# Altium PCB PCB.PcbDoc (part 1 of 4) (continued)
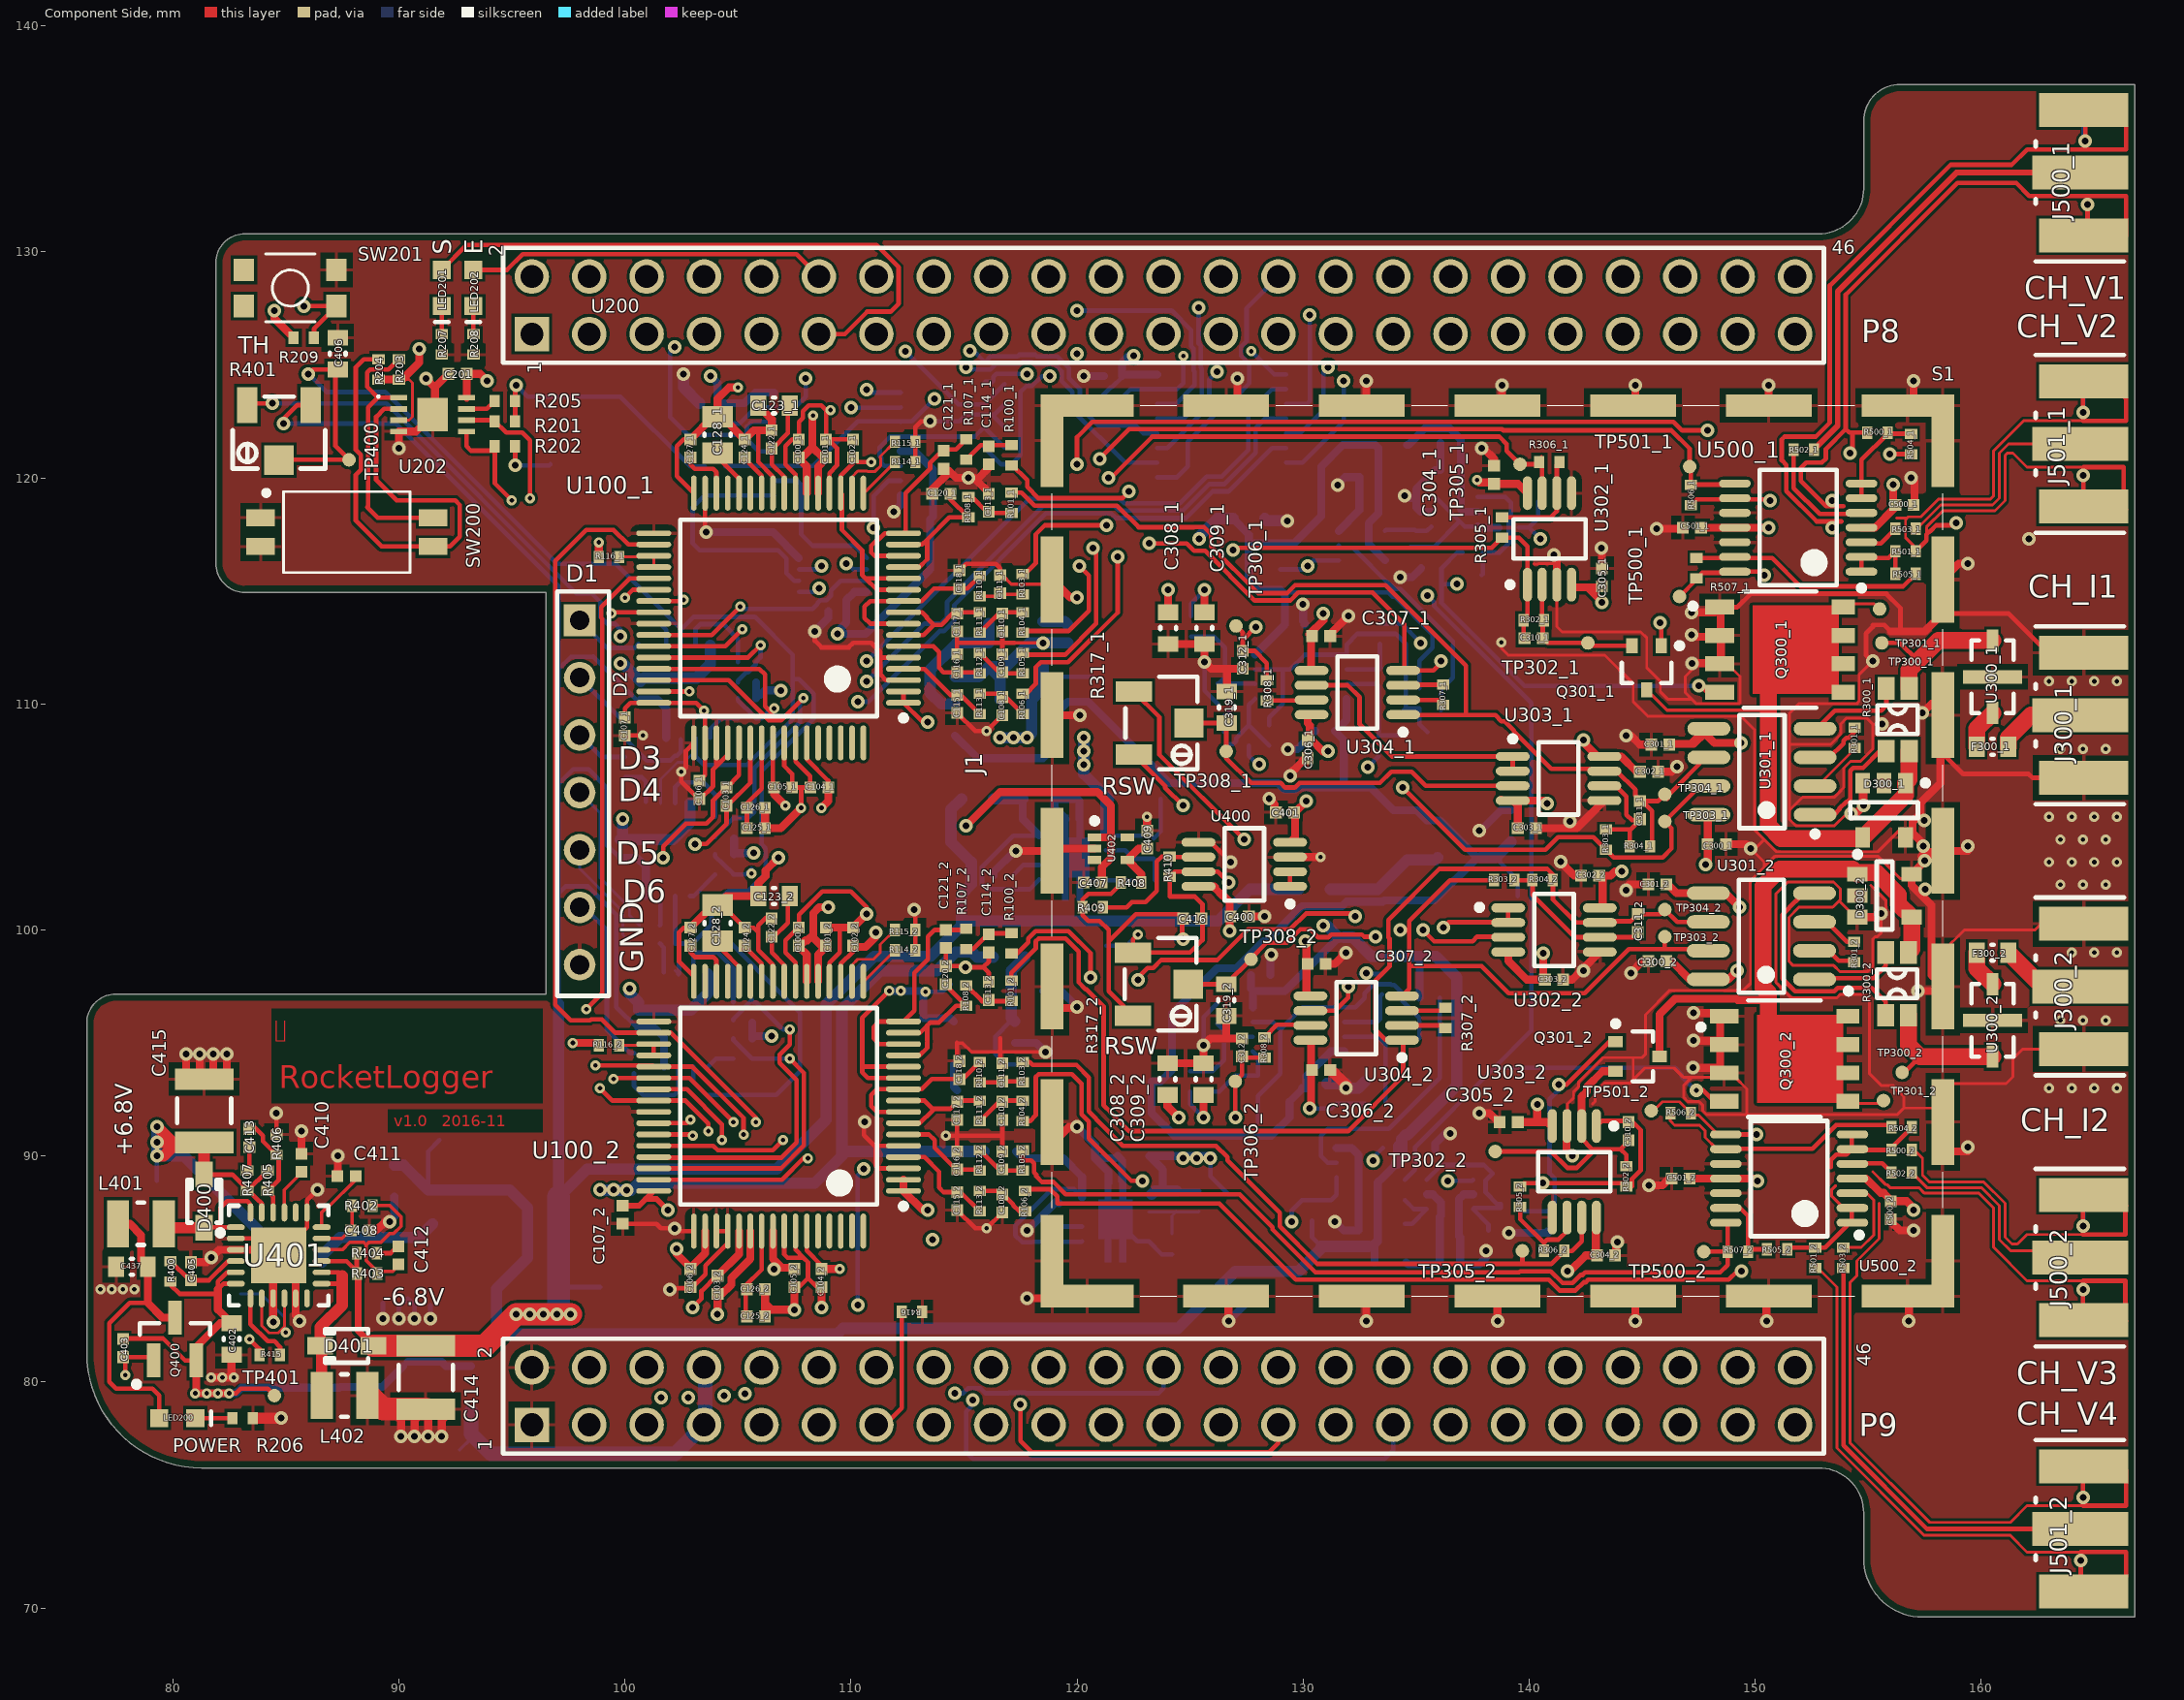
[diagram p0: Component Side view]
## Components (designator, comment, footprint, x,y, rotation, side; value= is the part's Value field where it differs from the comment)
C100_1 "1uF" CAPC0402(1005)60_L 107.7,121.3 r270 top (schematic designator C100)
C100_2 "1uF" CAPC0402(1005)60_L 107.7,99.7 r270 top (schematic designator C100)
C101_1 "1uF" CAPC0402(1005)60_L 108.9,121.3 r270 top (schematic designator C101)
C101_2 "1uF" CAPC0402(1005)60_L 108.9,99.7 r270 top (schematic designator C101)
C102_1 "1uF" CAPC0402(1005)60_L 110.1,121.3 r270 top (schematic designator C102)
C102_2 "1uF" CAPC0402(1005)60_L 110.1,99.7 r270 top (schematic designator C102)
C103_1 "1uF" CAPC0402(1005)60_L 104.5,105.9 r270 top (schematic designator C103)
C103_2 "1uF" CAPC0402(1005)60_L 104.1,84.3 r270 top (schematic designator C103)
C104_1 "1uF" CAPC0402(1005)60_L 108.6,106.3 r0 top (schematic designator C104)
C104_2 "1uF" CAPC0402(1005)60_L 108.7,84.6 r90 top (schematic designator C104)
C105_1 "1uF" CAPC0402(1005)60_L 107,106.3 r180 top (schematic designator C105)
C105_2 "1uF" CAPC0402(1005)60_L 107.5,84.6 r90 top (schematic designator C105)
C106_1 "1uF" CAPC0402(1005)60_L 103.3,106.2 r90 top (schematic designator C106)
C106_2 "1uF" CAPC0402(1005)60_L 102.9,84.6 r90 top (schematic designator C106)
C107_1 "1uF" CAPC0402(1005)60_L 100,109 r90 top (schematic designator C107)
C107_2 "1uF" CAPC0402(1005)60_L 99.9,87.4 r90 top (schematic designator C107)
C108_1 "1nF" CAPC0402(1005)60_L 116.7,109.9 r90 top (schematic designator C108)
C108_2 "1nF" CAPC0402(1005)60_L 116.7,87.9 r90 top (schematic designator C108)
C109_1 "1nF" CAPC0402(1005)60_L 116.7,111.8 r270 top (schematic designator C109)
C109_2 "1nF" CAPC0402(1005)60_L 116.7,89.8 r270 top (schematic designator C109)
C110_1 "1nF" CAPC0402(1005)60_L 116.7,113.6 r90 top (schematic designator C110)
C110_2 "1nF" CAPC0402(1005)60_L 116.7,92 r90 top (schematic designator C110)
C111_1 "1nF" CAPC0402(1005)60_L 116.6,115.3 r270 top (schematic designator C111)
C111_2 "1nF" CAPC0402(1005)60_L 116.7,93.7 r270 top (schematic designator C111)
C113_1 "1nF" CAPC0402(1005)60_L 116.1,118.9 r270 top (schematic designator C113)
C113_2 "1nF" CAPC0402(1005)60_L 116.1,97.3 r270 top (schematic designator C113)
C114_1 "1nF" CAPC0402(1005)60_L 116.1,121 r90 top (schematic designator C114)
C114_2 "1nF" CAPC0402(1005)60_L 116.1,99.4 r90 top (schematic designator C114)
C115_1 "1nF" CAPC0402(1005)60_L 114.7,110 r90 top (schematic designator C115)
C115_2 "1nF" CAPC0402(1005)60_L 114.7,88 r90 top (schematic designator C115)
C116_1 "1nF" CAPC0402(1005)60_L 114.7,111.8 r270 top (schematic designator C116)
C116_2 "1nF" CAPC0402(1005)60_L 114.7,89.8 r270 top (schematic designator C116)
C117_1 "1nF" CAPC0402(1005)60_L 114.7,113.6 r90 top (schematic designator C117)
C117_2 "1nF" CAPC0402(1005)60_L 114.7,92 r90 top (schematic designator C117)
C118_1 "1nF" CAPC0402(1005)60_L 114.8,115.5 r270 top (schematic designator C118)
C118_2 "1nF" CAPC0402(1005)60_L 114.8,93.8 r270 top (schematic designator C118)
C120_1 "1nF" CAPC0402(1005)60_L 114,119.3 r0 top (schematic designator C120)
C120_2 "1nF" CAPC0402(1005)60_L 114.2,98 r270 top (schematic designator C120)
C121_1 "1nF" CAPC0402(1005)60_L 114.1,120.8 r90 top (schematic designator C121)
C121_2 "1nF" CAPC0402(1005)60_L 114.2,99.6 r90 top (schematic designator C121)
C122_1 "100nF" CAPC0402(1005)60_L 106.5,121.7 r270 top (schematic designator C122)
C122_2 "100nF" CAPC0402(1005)60_L 106.5,100.1 r270 top (schematic designator C122)
C123_1 "10uF" CAPC0603(1608)100_L 106.6,123.2 r0 top (schematic designator C123)
C123_2 "10uF" CAPC0603(1608)100_L 106.6,101.5 r0 top (schematic designator C123)
C124_1 "1uF" CAPC0402(1005)60_L 105.3,121.3 r270 top (schematic designator C124)
C124_2 "1uF" CAPC0402(1005)60_L 105.3,99.7 r270 top (schematic designator C124)
C125_1 "1uF" CAPC0402(1005)60_L 105.8,104.5 r180 top (schematic designator C125)
C125_2 "1uF" CAPC0402(1005)60_L 105.8,82.9 r180 top (schematic designator C125)
C126_1 "100nF" CAPC0402(1005)60_L 105.8,105.4 r180 top (schematic designator C126)
C126_2 "100nF" CAPC0402(1005)60_L 105.8,84.1 r180 top (schematic designator C126)
C127_1 "1uF" CAPC0402(1005)60_L 102.9,121.3 r270 top (schematic designator C127)
C127_2 "1uF" CAPC0402(1005)60_L 102.9,99.7 r270 top (schematic designator C127)
C128_1 "22uF" CAPC0805(2012)145_L 104.1,121.9 r270 top (schematic designator C128)
C128_2 "22uF" CAPC0805(2012)145_L 104.1,100.3 r270 top (schematic designator C128)
C200 "100nF" CAPC0402(1005)60_L 121.6,124.5 r0 bottom
C201 "100nF" CAPC0402(1005)60_L 92.6,124.6 r0 top
C300_1 "100nF" CAPC0402(1005)60_L 148.3,103.8 r180 top (schematic designator C300)
C300_2 "100nF" CAPC0402(1005)60_L 145.675,98.618 r0 top (schematic designator C300)
C301_1 "100nF" CAPC0402(1005)60_L 145.8,108.2 r180 top (schematic designator C301)
C301_2 "100nF" CAPC0402(1005)60_L 145.675,102.018 r180 top (schematic designator C301)
C302_1 "100nF" CAPC0402(1005)60_L 145.3,107 r180 top (schematic designator C302)
C302_2 "100nF" CAPC0402(1005)60_L 142.7,102.4 r0 top (schematic designator C302)
C303_1 "100nF" CAPC0402(1005)60_L 139.9,104.5 r0 top (schematic designator C303)
C303_2 "100nF" CAPC0402(1005)60_L 141.1,97.8 r0 top (schematic designator C303)
C304_1 "100nF" CAPC0402(1005)60_L 138.45,120.134 r270 top (schematic designator C304)
C304_2 "100nF" CAPC0402(1005)60_L 143.4,85.6 r180 top (schematic designator C304)
C305_1 "100nF" CAPC0402(1005)60_L 143.225,115.6 r90 top (schematic designator C305)
C305_2 "100nF" CAPC0402(1005)60_L 139.1,91.5 r180 top (schematic designator C305)
C306_1 "100nF" CAPC0402(1005)60_L 130.2,108 r90 top (schematic designator C306)
C306_2 "100nF" CAPC0402(1005)60_L 130.8,93.8 r180 top (schematic designator C306)
C307_1 "100nF" CAPC0402(1005)60_L 130.8,113 r0 top (schematic designator C307)
C307_2 "100nF" CAPC0402(1005)60_L 130.6,98.5 r0 top (schematic designator C307)
C308_1 "10uF" CAPC0603(1608)100_L 124.034,113.35 r90 top (schematic designator C308)
C308_2 "10uF" CAPC0603(1608)100_L 124,93.4 r270 top (schematic designator C308)
C309_1 "10uF" CAPC0603(1608)100_L 125.634,113.35 r270 top (schematic designator C309)
C309_2 "10uF" CAPC0603(1608)100_L 125.6,93.4 r90 top (schematic designator C309)
C310_1 "2.2nF" CAPC0402(1005)60_L 140.2,112.9 r180 top (schematic designator C310)
C310_2 "2.2nF" CAPC0402(1005)60_L 144.4,91.1 r90 top (schematic designator C310)
C311_1 "470pF" CAPC0402(1005)60_L 144.9,105.3 r270 top (schematic designator C311)
C311_2 "470pF" CAPC0402(1005)60_L 144.8,100.3 r270 top (schematic designator C311)
C312_1 "33nF" CAPC0402(1005)60_L 127.334,111.95 r90 top (schematic designator C312)
C312_2 "33nF" CAPC0402(1005)60_L 127.3,94.8 r270 top (schematic designator C312)
C313_1 "10pF" CAPC0402(1005)60_L 133.434,111.15 r90 bottom (schematic designator C313)
C313_2 "10pF" CAPC0402(1005)60_L 133.4,95.6 r90 bottom (schematic designator C313)
C314_1 "10pF" CAPC0402(1005)60_L 126.5,108.3 r90 bottom (schematic designator C314)
C314_2 "10pF" CAPC0402(1005)60_L 126,93.3 r90 bottom (schematic designator C314)
C315_1 "100nF" CAPC0402(1005)60_L 129.6,113.5 r180 bottom (schematic designator C315)
C315_2 "100nF" CAPC0402(1005)60_L 128.1,98 r180 bottom (schematic designator C315)
C316_1 "100nF" CAPC0402(1005)60_L 131,108.8 r180 bottom (schematic designator C316)
C316_2 "100nF" CAPC0402(1005)60_L 130.6,93.2 r0 bottom (schematic designator C316)
C317_1 "10uF" CAPC0603(1608)100_L 127.6,118.2 r180 bottom (schematic designator C317)
C317_2 "10uF" CAPC0603(1608)100_L 128.1,84.2 r90 bottom (schematic designator C317)
C318_1 "10uF" CAPC0603(1608)100_L 131.6,105.6 r270 bottom (schematic designator C318)
C318_2 "10uF" CAPC0603(1608)100_L 123.3,94 r90 bottom (schematic designator C318)
C319_1 "10uF" CAPC0603(1608)100_L 126.634,109.85 r270 top (schematic designator C319)
C319_2 "10uF" CAPC0603(1608)100_L 126.6,96.9 r90 top (schematic designator C319)
C320_1 "100nF" CAPC0402(1005)60_L 132.934,120.05 r0 bottom (schematic designator C320)
C320_2 "100nF" CAPC0402(1005)60_L 132.9,86.7 r0 bottom (schematic designator C320)
C321_1 "1nF" CAPC0402(1005)60_L 132.934,118.85 r0 bottom (schematic designator C321)
C321_2 "1nF" CAPC0402(1005)60_L 132.9,87.9 r0 bottom (schematic designator C321)
C322_1 "100nF" CAPC0402(1005)60_L 136.534,121.55 r0 bottom (schematic designator C322)
C322_2 "100nF" CAPC0402(1005)60_L 136.5,85.2 r180 bottom (schematic designator C322)
C323_1 "10nF" CAPC0402(1005)60_L 140.4,119.4 r270 bottom (schematic designator C323)
C323_2 "10nF" CAPC0402(1005)60_L 140.8,87.1 r90 bottom (schematic designator C323)
C324_1 "1nF" CAPC0402(1005)60_L 136.534,120.35 r0 bottom (schematic designator C324)
C324_2 "1nF" CAPC0402(1005)60_L 136.5,86.4 r180 bottom (schematic designator C324)
C325_1 "10nF" CAPC0402(1005)60_L 135.675,116 r0 bottom (schematic designator C325)
C325_2 "10nF" CAPC0402(1005)60_L 135.4,90.3 r180 bottom (schematic designator C325)
C400 "100nF" CAPC0402(1005)60_L 127.2,100.6 r180 top
C401 "100nF" CAPC0402(1005)60_L 129.2,105.2 r180 top
C402 "10uF" CAPC0603(1608)100_L 82.6,81.9 r90 top
C403 "100nF" CAPC0402(1005)60_L 77.8,81.5 r270 top
C404 "47uF" CAPC1210(3225)280_L 90.4,82.3 r90 bottom
C405 "100nF" CAPC0402(1005)60_L 80.8,84.9 r270 top
C406 "10uF" CAPC0603(1608)100_L 87.3,125.5 r270 top
C407 "100nF" CAPC0402(1005)60_L 120.7,102.1 r0 top
C408 "220nF" CAPC0402(1005)60_L 88.29,86.7 r180 top
C409 "1uF" CAPC0402(1005)60_L 123.1,104 r270 top
C410 "10nF" CAPC0402(1005)60_L 85.69,89.7 r270 top
C411 "4.7nF" CAPC0402(1005)60_L 87.69,89.1 r0 top
C412 "120pF" CAPC0402(1005)60_L 89.99,85.6 r270 top
C413 "56pF" CAPC0402(1005)60_L 83.39,90.8 r90 top
C414 "47uF" CAPC1210(3225)280_L 91.19,80.2 r270 top
C415 "47uF" CAPC1210(3225)280_L 81.39,92 r90 top
C416 "100nF" CAPC0402(1005)60_L 125.1,100.5 r180 top
C417 "10uF" CAPC0603(1608)100_L 118.3,105.8 r180 bottom
C418 "10uF" CAPC0603(1608)100_L 120.1,89.9 r180 bottom
C419 "10uF" CAPC0603(1608)100_L 117.8,97.3 r180 bottom
C420 "10uF" CAPC0603(1608)100_L 114.6,111.9 r90 bottom
C421 "10uF" CAPC0603(1608)100_L 88.3,85.7 r90 bottom
C422 "10uF" CAPC0603(1608)100_L 134.6,103.8 r270 bottom
C423 "10nF" CAPC0402(1005)60_L 119.2,87.5 r270 bottom
C424 "10nF" CAPC0402(1005)60_L 116.7,102.4 r0 bottom
C425 "100nF" CAPC0402(1005)60_L 119.6,113.1 r90 bottom
C426 "10uF" CAPC0603(1608)100_L 139.2,104.6 r270 bottom
C427 "100nF" CAPC0402(1005)60_L 115.1,92.9 r180 bottom
C428 "10uF" CAPC0603(1608)100_L 89.8,88.9 r90 bottom
C429 "10nF" CAPC0402(1005)60_L 124.4,88 r90 bottom
C430 "10nF" CAPC0402(1005)60_L 122.4,103.7 r90 bottom
C431 "10uF" CAPC0603(1608)100_L 117.3,110.2 r0 bottom
C432 "10uF" CAPC0603(1608)100_L 122.5,90 r0 bottom
C433 "10uF" CAPC0603(1608)100_L 120.7,105.8 r0 bottom
C434 "10uF" CAPC0603(1608)100_L 113.2,95.4 r90 bottom
C435 "100uF" CAPC1210(3225)200_L 87.4,78.5 r90 bottom
C436 "100uF" CAPC1210(3225)200_L 84.5,78.475 r90 bottom
C437 "10uF" CAPC0603(1608)100_L 78.2,85.1 r0 top
C500_1 "100nF" CAPC0402(1005)60_L 156.6,118.8 r180 top (schematic designator C500)
C500_2 "100nF" CAPC0402(1005)60_L 156,87.6 r90 top (schematic designator C500)
C501_1 "100nF" CAPC0402(1005)60_L 147.2,117.8 r180 top (schematic designator C501)
C501_2 "100nF" CAPC0402(1005)60_L 146.7,89 r180 top (schematic designator C501)
C600_1 "100nF" CAPC0402(1005)60_L 100.7,110.6 r90 bottom (schematic designator C600)
C600_2 "100nF" CAPC0402(1005)60_L 99.8,103.6 r90 bottom (schematic designator C600)
C600_3 "100nF" CAPC0402(1005)60_L 100.6,96.05 r90 bottom (schematic designator C600)
C700 "100nF" CAPC0402(1005)60_L 103.7,123.3 r0 bottom
C701 "100nF" CAPC0402(1005)60_L 109.4,114.1 r0 bottom
D300_1 "RB496EATR" Z5+1_L 155.7,105.3 r270 top (schematic designator D300)
D300_2 "RB496EATR" Z5+1_L 155.725,101.518 r0 top (schematic designator D300)
D400 "SD103CWS-7-F" DIOD-SOD323-2_V 81.39,88 r90 top
D401 "SD103CWS-7-F" DIOD-SOD323-2_V 87.7,81.6 r180 top
F300_1 "046702.5NR" RESC0603(1608)_L 160.5,108.1 r180 top (schematic designator F300)
F300_2 "046702.5NR" RESC0603(1608)_L 160.5,99 r180 top (schematic designator F300)
J1 "TSW-107-07-L-S" TSW-107-07-L-S 98,106.08 r0 top
J300_1 "CON-SMA-EDGE-S" 132322 164.375,109.5 r0 top locked (schematic designator J300)
J300_2 "CON-SMA-EDGE-S" 132322 164.375,97.5 r0 top locked (schematic designator J300)
J500_1 "CON-SMA-EDGE-S" 132322 164.375,133.5 r0 top locked (schematic designator J500)
J500_2 "CON-SMA-EDGE-S" 132322 164.375,85.5 r0 top locked (schematic designator J500)
J501_1 "CON-SMA-EDGE-S" 132322 164.375,121.5 r0 top locked (schematic designator J501)
J501_2 "CON-SMA-EDGE-S" 132322 164.375,73.5 r0 top locked (schematic designator J501)
L300_1 "1.5uH" INDC0603(1608)_L 133.893,121.459 r0 bottom (schematic designator L300)
L300_2 "1.5uH" INDC0603(1608)_L 133.859,85.291 r0 bottom (schematic designator L300)
L400 "4.7uH" INDC2520X10L 93.2,79.7 r90 bottom
L401 "4.7uH" INDC2520X10L 78.59,87 r0 top
L402 "4.7uH" INDC2520X10L 87.6,79.4 r0 top
L403 "1.5uH" INDC0603(1608)_L 115.6,105.8 r0 bottom
L404 "1.5uH" INDC0603(1608)_L 116.6,90.2 r0 bottom
L405 "1.5uH" INDC0603(1608)_L 117,98.8 r0 bottom
L406 "1.5uH" INDC0603(1608)_L 114.6,109.3 r90 bottom
L407 "1.5uH" INDC0603(1608)_L 85.9,85.3 r0 bottom
L408 "1.5uH" INDC0603(1608)_L 130.5,101.8 r0 bottom
LED200 "Blue, 2.6V @ 2mA" 0603_A 80.2,78.4 r180 top
LED201 "Blue, 2.6V @ 2mA" 0603_A 91.9,128.4 r90 top
LED202 "Red, 1.6V @ 2mA" 0603_A 93.3,128.4 r90 top
Q300_1 "CSD17527Q5A" PowerPAK_SO-8_V 151.1,112.4 r0 top (schematic designator Q300)
Q300_2 "CSD17527Q5A" PowerPAK_SO-8_V 151.3,94.3 r0 top (schematic designator Q300)
Q301_1 "BSS214NW" INF-PG-SOT-323_L 145.2,111.6 r270 top (schematic designator Q301)
Q301_2 "BSS214NW" INF-PG-SOT-323_L 144.8,94.4 r0 top (schematic designator Q301)
Q400 "SI2323DS-T1-GE3" SOT-23-TT3_N 80.1,81.9 r90 top
R100_1 "4K7" RESC0402(1005)_L 117.1,121 r270 top (schematic designator R100)
R100_2 "4K7" RESC0402(1005)_L 117.1,99.4 r270 top (schematic designator R100)
R101_1 "4K7" RESC0402(1005)_L 117.1,118.9 r90 top (schematic designator R101)
R101_2 "4K7" RESC0402(1005)_L 117.1,97.3 r90 top (schematic designator R101)
R103_1 "4K7" RESC0402(1005)_L 117.6,115.3 r90 top (schematic designator R103)
R103_2 "4K7" RESC0402(1005)_L 117.6,93.7 r90 top (schematic designator R103)
R104_1 "4K7" RESC0402(1005)_L 117.6,113.6 r270 top (schematic designator R104)
R104_2 "4K7" RESC0402(1005)_L 117.6,92 r270 top (schematic designator R104)
R105_1 "4K7" RESC0402(1005)_L 117.6,111.8 r90 top (schematic designator R105)
R105_2 "4K7" RESC0402(1005)_L 117.6,89.8 r90 top (schematic designator R105)
R106_1 "4K7" RESC0402(1005)_L 117.6,110 r90 top (schematic designator R106)
R106_2 "4K7" RESC0402(1005)_L 117.7,88 r90 top (schematic designator R106)
R107_1 "4K7" RESC0402(1005)_L 115.1,121.25 r270 top (schematic designator R107)
R107_2 "4K7" RESC0402(1005)_L 115.1,99.6 r270 top (schematic designator R107)
R108_1 "4K7" RESC0402(1005)_L 115.2,118.7 r90 top (schematic designator R108)
R108_2 "4K7" RESC0402(1005)_L 115.1,97.1 r90 top (schematic designator R108)
R110_1 "4K7" RESC0402(1005)_L 115.7,115.2 r270 top (schematic designator R110)
R110_2 "4K7" RESC0402(1005)_L 115.7,93.7 r270 top (schematic designator R110)
R111_1 "4K7" RESC0402(1005)_L 115.7,113.6 r270 top (schematic designator R111)
R111_2 "4K7" RESC0402(1005)_L 115.7,92 r270 top (schematic designator R111)
R112_1 "4K7" RESC0402(1005)_L 115.7,111.8 r90 top (schematic designator R112)
R112_2 "4K7" RESC0402(1005)_L 115.7,89.8 r90 top (schematic designator R112)
R113_1 "4K7" RESC0402(1005)_L 115.7,110 r90 top (schematic designator R113)
R113_2 "4K7" RESC0402(1005)_L 115.7,88 r90 top (schematic designator R113)
R114_1 "10K" RESC0402(1005)_L 112.4,120.7 r180 top (schematic designator R114)
R114_2 "10K" RESC0402(1005)_L 112.4,99.1 r180 top (schematic designator R114)
R115_1 "10K" RESC0402(1005)_L 112.4,121.6 r180 top (schematic designator R115)
R115_2 "10K" RESC0402(1005)_L 112.4,100 r180 top (schematic designator R115)
R116_1 "10K" RESC0402(1005)_L 99.3,116.5 r0 top (schematic designator R116)
R116_2 "10K" RESC0402(1005)_L 99.3,94.9 r0 top (schematic designator R116)
R200 "1K" RESC0402(1005)_L 121.6,123.6 r180 bottom
R201 "5K6" RESC0402(1005)_L 94.7,122.5 r0 top
R202 "5K6" RESC0402(1005)_L 94.7,121.4 r0 top
R203 "100K" RESC0402(1005)_L 90,124.8 r270 top
R204 "100K" RESC0402(1005)_L 89.1,124.8 r270 top
R205 "10K, DNP" RESC0402(1005)_L 94.7,123.4 r0 top
R206 "1K" RESC0402(1005)_L 83.1,78.4 r180 top
R207 "330R" RESC0402(1005)_L 91.9,125.9 r90 top
R208 "820R" RESC0402(1005)_L 93.3,125.9 r90 top
R209 "100K" RESC0402(1005)_L 85.8,126.2 r180 top
R300_1 "WSK1206R0500FEA" WSK1206#1 156.3,109.3 r90 top (schematic designator R300)
R300_2 "WSK1206R0500FEA" WSK1206#2 156.275,97.618 r270 top (schematic designator R300)
R301_1 "133R, 25ppm/°C" RESC0402(1005)_L 154.4,108.5 r270 top (schematic designator R301)
R301_2 "133R, 25ppm/°C" RESC0402(1005)_L 154.375,99.018 r270 top (schematic designator R301)
R302_1 "680R, 25ppm/°C" RESC0402(1005)_L 140.2,113.7 r0 top (schematic designator R302)
R302_2 "680R, 25ppm/°C" RESC0402(1005)_L 144.3,89.1 r90 top (schematic designator R302)
R303_1 "10K" RESC0402(1005)_L 143.4,104 r270 top (schematic designator R303)
R303_2 "10K" RESC0402(1005)_L 138.9,102.2 r180 top (schematic designator R303)
R304_1 "10K" RESC0402(1005)_L 144.9,103.7 r180 top (schematic designator R304)
R304_2 "10K" RESC0402(1005)_L 140.6,102.2 r180 top (schematic designator R304)
R305_1 "10K, 25ppm/°C" RESC0402(1005)_L 138.8,117.8 r270 top (schematic designator R305)
R305_2 "10K, 25ppm/°C" RESC0402(1005)_L 139.6,88.2 r90 top (schematic designator R305)
R306_1 "10K, 25ppm/°C" RESC0402(1005)_L 140.9,120.7 r0 top (schematic designator R306)
R306_2 "10K, 25ppm/°C" RESC0402(1005)_L 141.1,85.8 r180 top (schematic designator R306)
R307_1 "75R" RESC0402(1005)_L 136.2,110.4 r270 top (schematic designator R307)
R307_2 "75R" RESC0402(1005)_L 136.3,96.1 r270 top (schematic designator R307)
R308_1 "12R" RESC0402(1005)_L 128.4,110.6 r90 top (schematic designator R308)
R308_2 "12R" RESC0402(1005)_L 128.3,94.8 r270 top (schematic designator R308)
R309_1 "51K1" RESC0402(1005)_L 133.35,108.134 r270 bottom (schematic designator R309)
R309_2 "51K1" RESC0402(1005)_L 133.2,92.3 r180 bottom (schematic designator R309)
R310_1 "12K4" RESC0402(1005)_L 134.35,108.134 r90 bottom (schematic designator R310)
R310_2 "12K4" RESC0402(1005)_L 133.2,93.3 r0 bottom (schematic designator R310)
R311_1 "11K5" RESC0402(1005)_L 126.234,110.45 r270 bottom (schematic designator R311)
R311_2 "11K5" RESC0402(1005)_L 126.2,96.3 r90 bottom (schematic designator R311)
R312_1 "60K4" RESC0402(1005)_L 125.034,113.45 r270 bottom (schematic designator R312)
R312_2 "60K4" RESC0402(1005)_L 125,93.3 r90 bottom (schematic designator R312)
R313_1 "10K" RESC0402(1005)_L 127.6,108.6 r270 bottom (schematic designator R313)
R313_2 "10K" RESC0402(1005)_L 127,93.1 r270 bottom (schematic designator R313)
R314_1 "1K" RESC0402(1005)_L 133.4,113.1 r270 bottom (schematic designator R314)
R314_2 "1K" RESC0402(1005)_L 133.5,97.6 r270 bottom (schematic designator R314)
R315_1 "100K" RESC0402(1005)_L 133.8,109.5 r0 bottom (schematic designator R315)
R315_2 "100K" RESC0402(1005)_L 134.7,95.2 r0 bottom (schematic designator R315)
R316_1 "100K" RESC0402(1005)_L 128.5,108.6 r90 bottom (schematic designator R316)
R316_2 "100K" RESC0402(1005)_L 128,93.1 r270 bottom (schematic designator R316)
R317_1 "43WR10KLFTR" 43W 123.734,109.15 r180 top (schematic designator R317)
R317_2 "43WR10KLFTR" 43W 123.7,97.6 r180 top (schematic designator R317)
R318_1 "10K" RESC0402(1005)_L 135.6,110.7 r180 bottom (schematic designator R318)
R318_2 "10K" RESC0402(1005)_L 135.6,97 r180 bottom (schematic designator R318)
R319_1 "10K" RESC0402(1005)_L 135.6,109.8 r0 bottom (schematic designator R319)
R319_2 "10K" RESC0402(1005)_L 135.6,96.1 r0 bottom (schematic designator R319)
R320_1 "100K" RESC0402(1005)_L 129,115.5 r270 bottom (schematic designator R320)
R320_2 "100K" RESC0402(1005)_L 130.4,87.6 r270 bottom (schematic designator R320)
R321_1 "15R" RESC0402(1005)_L 137.5,116.7 r0 bottom (schematic designator R321)
R321_2 "15R" RESC0402(1005)_L 134.5,88.5 r270 bottom (schematic designator R321)
R322_1 "15R" RESC0402(1005)_L 139.1,117.8 r180 bottom (schematic designator R322)
R322_2 "15R" RESC0402(1005)_L 139.2,87.7 r180 bottom (schematic designator R322)
R400 "100R" RESC0402(1005)_L 79.9,84.9 r270 top
R401 "43WR500KLFTR" 43W 84.7,122 r90 top
R402 "20K5" RESC0402(1005)_L 88.39,87.8 r180 top
R403 "115K" RESC0402(1005)_L 88.6,84.8 r180 top
R404 "10K" RESC0402(1005)_L 88.59,85.7 r0 top
R405 "115K" RESC0402(1005)_L 84.19,88.9 r90 top
R406 "24K9" RESC0402(1005)_L 84.59,90.5 r270 top
R407 "10K" RESC0402(1005)_L 83.3,88.9 r270 top
R408 "3K9" RESC0402(1005)_L 122.4,102.1 r0 top
R409 "10K" RESC0402(1005)_L 120.7,101 r180 top
R410 "10K" RESC0402(1005)_L 124.1,102.8 r90 top
R411 "10K2" RESC0402(1005)_L 124.2,86.1 r90 bottom
R412 "41K2" RESC0402(1005)_L 125.4,88 r90 bottom
R413 "102K" RESC0402(1005)_L 123.4,103.6 r90 bottom
R414 "24K9" RESC0402(1005)_L 123,102.2 r0 bottom
R415 "27K" RESC0402(1005)_L 84.3,81.2 r0 top
R416 "1K" RESC0402(1005)_L 112.7,83.1 r180 top
R500_1 "10K" RESC0402(1005)_L 155.4,122 r180 top (schematic designator R500)
R500_2 "10K" RESC0402(1005)_L 156.475,90.268 r0 top (schematic designator R500)
R501_1 "10K" RESC0402(1005)_L 156.65,116.75 r0 top (schematic designator R501)
R501_2 "10K" RESC0402(1005)_L 152.65,85.5 r270 top (schematic designator R501)
R502_1 "10K" RESC0402(1005)_L 152.15,121.25 r0 top (schematic designator R502)
R502_2 "10K" RESC0402(1005)_L 156.475,89.268 r0 top (schematic designator R502)
R503_1 "10K" RESC0402(1005)_L 156.65,117.75 r0 top (schematic designator R503)
R503_2 "10K" RESC0402(1005)_L 153.9,85.5 r270 top (schematic designator R503)
R504_1 "10K, 25ppm/°C" RESC0402(1005)_L 156.9,121.5 r90 top (schematic designator R504)
R504_2 "10K, 25ppm/°C" RESC0402(1005)_L 156.475,91.268 r0 top (schematic designator R504)
R505_1 "10K, 25ppm/°C" RESC0402(1005)_L 156.65,115.75 r180 top (schematic designator R505)
R505_2 "10K, 25ppm/°C" RESC0402(1005)_L 150.975,85.868 r0 top (schematic designator R505)
R506_1 "3K9, 25ppm/°C" RESC0402(1005)_L 147.15,119.25 r90 top (schematic designator R506)
R506_2 "3K9, 25ppm/°C" RESC0402(1005)_L 146.7,91.9 r0 top (schematic designator R506)
R507_1 "3K9, 25ppm/°C" RESC0402(1005)_L 147.4,116 r270 top (schematic designator R507)
R507_2 "3K9, 25ppm/°C" RESC0402(1005)_L 149.225,85.768 r180 top (schematic designator R507)
R600_1 "100K" RESC0402(1005)_L 105.8,111.4 r270 bottom (schematic designator R600)
R600_2 "100K" RESC0402(1005)_L 104.8,104.6 r270 bottom (schematic designator R600)
R600_3 "100K" RESC0402(1005)_L 105.629,96.45 r270 bottom (schematic designator R600)
R601_1 "205K" RESC0402(1005)_L 105,111.4 r270 bottom (schematic designator R601)
R601_2 "205K" RESC0402(1005)_L 104,104.55 r270 bottom (schematic designator R601)
R601_3 "205K" RESC0402(1005)_L 104.8,96.45 r270 bottom (schematic designator R601)
R602_1 "100K" RESC0402(1005)_L 105.8,109.8 r90 bottom (schematic designator R602)
R602_2 "100K" RESC0402(1005)_L 104.8,102.9 r90 bottom (schematic designator R602)
R602_3 "100K" RESC0402(1005)_L 105.629,94.75 r90 bottom (schematic designator R602)
R603_1 "205K" RESC0402(1005)_L 105,109.8 r90 bottom (schematic designator R603)
R603_2 "205K" RESC0402(1005)_L 104,102.9 r90 bottom (schematic designator R603)
R603_3 "205K" RESC0402(1005)_L 104.8,94.75 r90 bottom (schematic designator R603)
R604_1 "10K" RESC0402(1005)_L 100.6,113.1 r270 bottom (schematic designator R604)
R604_2 "10K" RESC0402(1005)_L 100,107.2 r90 bottom (schematic designator R604)
R604_3 "10K" RESC0402(1005)_L 101.1,99.4 r180 bottom (schematic designator R604)
R605_1 "10K" RESC0402(1005)_L 100,108.9 r90 bottom (schematic designator R605)
R605_2 "10K" RESC0402(1005)_L 101.1,100.2 r180 bottom (schematic designator R605)
R605_3 "10K" RESC0402(1005)_L 100.4,94.1 r90 bottom (schematic designator R605)
R700 "100K" RESC0402(1005)_L 115.9,121.8 r90 bottom
R701 "100K" RESC0402(1005)_L 115.9,123.7 r270 bottom
R702 "200K" RESC0402(1005)_L 116.8,121.8 r270 bottom
R703 "200K" RESC0402(1005)_L 116.8,123.7 r90 bottom
R704 "100K" RESC0402(1005)_L 104,122.4 r180 bottom
R705 "100K" RESC0402(1005)_L 104,120.5 r180 bottom
S1 "BMI-S-208-F" BMI-S-208-F 138.6,103.5 r0 top locked
SW200 "218-2LPST" 416131160802 87.7,117.6 r270 top
SW201 "KMR231NG LFS" "KRM 2 Series" 85.2,128.4 r180 top
TP300_1 "" Pad-0.6mm 155.6,112.7 r270 top locked (schematic designator TP300)
TP300_2 "" Pad-0.6mm 156.5,93.7 r90 top locked (schematic designator TP300)
TP301_1 "" Pad-0.6mm 155.5,114.2 r270 top locked (schematic designator TP301)
TP301_2 "" Pad-0.6mm 155.675,92.45 r90 top locked (schematic designator TP301)
TP302_1 "" Pad-0.6mm 142.6,112.7 r270 top locked (schematic designator TP302)
TP302_2 "" Pad-0.6mm 138.5,90.2 r90 top locked (schematic designator TP302)
TP303_1 "" Pad-0.6mm 146,104.8 r270 top locked (schematic designator TP303)
TP303_2 "" Pad-0.6mm 146,99.7 r90 top locked (schematic designator TP303)
TP304_1 "" Pad-0.6mm 146,106 r270 top locked (schematic designator TP304)
TP304_2 "" Pad-0.6mm 146,100.9 r90 top locked (schematic designator TP304)
TP305_1 "" Pad-0.6mm 139.6,120.6 r270 top locked (schematic designator TP305)
TP305_2 "" Pad-0.6mm 139.7,85.8 r90 top locked (schematic designator TP305)
TP306_1 "" Pad-0.6mm 127.034,113.45 r270 top locked (schematic designator TP306)
TP306_2 "" Pad-0.6mm 127,93.3 r90 top locked (schematic designator TP306)
TP307_1 "" Pad-0.6mm 135.5,108.75 r270 bottom locked (schematic designator TP307)
TP307_2 "" Pad-0.6mm 128,91.5 r90 bottom locked (schematic designator TP307)
TP308_1 "" Pad-0.6mm 126.6,107.9 r270 top locked (schematic designator TP308)
TP308_2 "" Pad-0.6mm 127.7,98.7 r90 top locked (schematic designator TP308)
TP309_1 "" Pad-0.6mm 134.75,116.95 r270 bottom locked (schematic designator TP309)
TP309_2 "" Pad-0.6mm 138.2,86.7 r90 bottom locked (schematic designator TP309)
TP310_1 "" Pad-0.6mm 137.9,115.7 r270 bottom locked (schematic designator TP310)
TP310_2 "" Pad-0.6mm 134.5,87 r90 bottom locked (schematic designator TP310)
TP400 "" Pad-0.6mm 87.8,120.8 r90 top locked
TP401 "" Pad-0.6mm 84.5,79.4 r90 top locked
TP402 "" Pad-0.6mm 79.3,88.9 r90 bottom locked
TP403 "" Pad-0.6mm 98.9,84.2 r90 bottom locked
TP404 "" Pad-0.6mm 123.7,99.6 r90 bottom locked
TP405 "" Pad-0.6mm 121.3,99.3 r90 bottom locked
TP406 "" Pad-0.6mm 139.5,101.5 r90 bottom locked
TP407 "" Pad-0.6mm 91.8,90.7 r0 bottom locked
TP408 "" Pad-0.6mm 127,88.3 r90 bottom locked
TP409 "" Pad-0.6mm 123.7,105.8 r90 bottom locked
TP410 "" Pad-0.6mm 120.7,111.2 r90 bottom locked
TP411 "" Pad-0.6mm 114.4,97.6 r90 bottom locked
TP412 "" Pad-0.6mm 92.7,77 r90 bottom locked
TP413 "" Pad-0.6mm 81.1,77.3 r90 bottom locked
TP414 "" Pad-0.6mm 83,83.9 r90 bottom locked
TP415 "" Pad-0.6mm 96.7,120.6 r90 bottom locked
TP500_1 "" Pad-0.6mm 146.65,114.75 r90 top locked (schematic designator TP500)
TP500_2 "" Pad-0.6mm 147.725,85.768 r90 top locked (schematic designator TP500)
TP501_1 "" Pad-0.6mm 147.1,120.5 r90 top locked (schematic designator TP501)
TP501_2 "" Pad-0.6mm 145.4,92 r90 top locked (schematic designator TP501)
U100_1 "ADS131E08SPAGR" QFP50P1000X1000X120_HS-64L 106.8,113.8 r180 top (schematic designator U100)
U100_2 "ADS131E08SPAGR" QFP50P1000X1000X120_HS-64L 106.8,92.2 r180 top (schematic designator U100)
U200 "BeagleBone Black" "BeagleBone Black" 123.825,103.505 r0 top locked
U201 "CD4503BPW" PW0016A_L 126.4,122.3 r180 bottom
U202 "CAT24C256HU4IGT3" UDFN-MU8 91.5,122.8 r0 top
U300_1 "ACH32C-470-T001" ACH32C 160.5,111.2 r90 top (schematic designator U300)
U300_2 "ACH32C-470-T001" ACH32C 160.5,96 r270 top (schematic designator U300)
U301_1 "AD8421BRZ" M08A_L 150.3,107 r180 top (schematic designator U301)
U301_2 "AD8421BRZ" M08A_L 150.275,99.718 r180 top (schematic designator U301)
U302_1 "ADA4522-2ARMZ" ADI-RM-8_L#1 140.9,117.3 r90 top (schematic designator U302)
U302_2 "ADA4522-2ARMZ" ADI-RM-8_L#1 142,89.3 r270 top (schematic designator U302)
U303_1 "ADA4522-2ARMZ" ADI-RM-8_L#2 141.3,106.7 r0 top (schematic designator U303)
U303_2 "ADA4522-2ARMZ" ADI-RM-8_L#2 141.1,100 r0 top (schematic designator U303)
U304_1 "AD8421ARMZ" ADI-RM-8_L#1 132.4,110.5 r180 top (schematic designator U304)
U304_2 "AD8421ARMZ" ADI-RM-8_L#1 132.35,96.1 r180 top (schematic designator U304)
U305_1 "TLV1702AIDGK" ADI-RM-8_L#1 129.9,111.2 r180 bottom (schematic designator U305)
U305_2 "TLV1702AIDGK" ADI-RM-8_L#1 129.8,95.6 r180 bottom (schematic designator U305)
U306_1 "SN74LVC2G14DCKR" DCK0006A_L 136.7,118.5 r0 bottom (schematic designator U306)
U306_2 "SN74LVC2G14DCKR" DCK0006A_L 136.5,88.3 r180 bottom (schematic designator U306)
U307_1 "SN74AHCT1G00DCKR" DCK0005A_L 132.6,117 r0 bottom (schematic designator U307)
U307_2 "SN74AHCT1G00DCKR" DCK0005A_L 132.5,89.7 r0 bottom (schematic designator U307)
U400 "ADA4522-2ARMZ" ADI-RM-8_L#1 127.4,102.9 r180 top
U401 "TPS65130RGER" LT-UF-24_L 84.69,85.6 r0 top
U402 "TCR2EE12,LM(CT" TI-DRL5_L 121.5,103.6 r0 top
U403 "TPS7A3001DRBR" DRB8-1750X1500TP 119.8,103.2 r180 bottom
U404 "TPS7A4901DRBR" DRB8-1750X1500TP 121.7,87.2 r180 bottom
U405 "LP2985-25DBVR" DBV0005A_L 115.9,95 r180 bottom
U406 "AP2204RA-5.0TRG1" SOT89_L 93.1,87 r0 bottom
U407 "MIC5270-5.0YM5-TR" Z5+1_L 136.9,104.4 r270 bottom
U408 "TPS72325DBVTG4" TI-DBV5_L 117.3,112.7 r0 bottom
U500_1 "OPA4192IPW" TSSOP-ST14_L 151.9,117.8 r180 top (schematic designator U500)
U500_2 "OPA4192IPW" TSSOP-ST14_L 151.5,89 r180 top (schematic designator U500)
U600_1 "LMC6772AIMM/NOPB" DGK0008A_L 102.804,110.55 r90 bottom (schematic designator U600)
U600_2 "LMC6772AIMM/NOPB" DGK0008A_L 101.904,103.55 r90 bottom (schematic designator U600)
U600_3 "LMC6772AIMM/NOPB" DGK0008A_L 102.704,96 r90 bottom (schematic designator U600)
U700 "CD4043BPWR" TSSOP-16_L 109.4,121.5 r180 bottom
U701 "SN74AUP2G32DCUR" DCU0008A_L 109.2,115.7 r0 bottom

## Footprints (in the part's own frame and the unit in brackets; to place one, negate y for a bottom-side part, rotate by r counter-clockwise, add the part's x,y. Pads: shape width x height; smd on the part's side, far side on the other; paste and mask are expansions set on the pad)
43W [mm] "43W TRIMMER SMD"
  rect 1.6x0.9 smd: 1(1.22,1.395) 3(1.22,-1.395)
  rect 1.3x1.3 smd: 2(-1.22,0)
  silkscreen extent -1.59,-2.05 1.59,2.05, body extent -1.59,-2.05 1.59,2.05, height 4.4
0603_A [mm] "Chip LED, 2-Leads, Body 1.6x0.8mm, IPC Medium Density"
  rect 0.8x0.8 smd: 1(-0.8,0) 2(0.8,0)
  silkscreen extent -1.5,-0.3 -1.5,0.3, body extent -0.8,-0.4 0.8,0.4, height 0.7
132322 [mm] "Connector, SMA Female Edge Mount for 0.062\" Thick Board, 5-Lead, Body Dia. 6.4mm"
  rect 4.25x1.5 smd: 1(0,0)
  rect 3.95x1.5 smd: 2(0.15,-2.77) 5(0.15,2.77)
  rect 3.95x1.5 smd far side: 3(0.15,-2.77) 4(0.15,2.77)
  silkscreen extent -1.97,-3.93 1.93,3.93, body extent -1.38,-3.17 11.95,3.18, height 3.56
416131160802 [mm] "02p, 1.27mm Pitch, Horizontal, HP Type, SMT, flat Actuator, black, with Tape, T&R"
  rect 0.76x1.27 smd: 1(-0.635,-3.81) 2(0.635,-3.81) 3(0.635,3.81) 4(-0.635,3.81)
  silkscreen extent -1.83,-3.66 1.79,2.8, body extent -1.79,-4 1.79,4, height 2.06
ACH32C [mm] "1206 (3216 Metric), 3 PC Pad"
  rect 1x0.5 smd: 1(-1.6,0) 3(1.6,0)
  rect 0.6x2.6 smd: 2(0,0)
  silkscreen extent -1.61,-0.93 1.61,0.93, body extent -1.61,-0.93 1.6,0.93, height 2.07
ADI-RM-8_L#1 [mm] "SOP, 8-Leads, Body 3x3mm, Pitch 0.65mm, IPC High Density"
  oval 1.5x0.399 smd: 1(-2.025,0.975) 2(-2.025,0.325) 3(-2.025,-0.325) 4(-2.025,-0.975) 5(2.025,-0.975) 6(2.025,-0.325) 7(2.025,0.325) 8(2.025,0.975)
  silkscreen extent -2.15,-1.6 0.87,1.87, body extent -1.6,-1.6 1.6,1.6, height 1.1
ADI-RM-8_L#2 [mm] "SOP, 8-Leads, Body 3x3mm, Pitch 0.65mm, IPC High Density"
  oval 1.5x0.4 smd: 1(-2.025,0.975) 2(-2.025,0.325) 3(-2.025,-0.325) 4(-2.025,-0.975) 5(2.025,-0.975) 6(2.025,-0.325) 7(2.025,0.325) 8(2.025,0.975)
  silkscreen extent -2.15,-1.6 0.87,1.87, body extent -1.6,-1.6 1.6,1.6, height 1.1
"BeagleBone Black" [mil] "Microprocessor Development Board"
  rect 60x60 hole 40: 801(-1100,900) 901(-1100,-1000)
  round 60 hole 40: 802(-1100,1000) 803(-1000,900) 804(-1000,1000) 805(-900,900) 806(-900,1000) 807(-800,900) 808(-800,1000) 809(-700,900) 810(-700,1000) 811(-600,900) 812(-600,1000) 813(-500,900) 814(-500,1000) 815(-400,900) 816(-400,1000) 817(-300,900) 818(-300,1000) 819(-200,900) 820(-200,1000) 821(-100,900) 822(-100,1000) 823(0,900) 824(0,1000) 825(100,900) 826(100,1000) 827(200,900) 828(200,1000) 829(300,900) 830(300,1000) 831(400,900) 832(400,1000) 833(500,900) 834(500,1000) 835(600,900) 836(600,1000) 837(700,900) 838(700,1000) 839(800,900) 840(800,1000) 841(900,900) 842(900,1000) 843(1000,900) 844(1000,1000) 845(1100,900) 846(1100,1000) 902(-1100,-900) 903(-1000,-1000) 904(-1000,-900) 905(-900,-1000) 906(-900,-900) 907(-800,-1000) 908(-800,-900) 909(-700,-1000) 910(-700,-900) 911(-600,-1000) 912(-600,-900) 913(-500,-1000) 914(-500,-900) 915(-400,-1000) 916(-400,-900) 917(-300,-1000) 918(-300,-900) 919(-200,-1000) 920(-200,-900) 921(-100,-1000) 922(-100,-900) 923(0,-1000) 924(0,-900) 925(100,-1000) 926(100,-900) 927(200,-1000) 928(200,-900) 929(300,-1000) 930(300,-900) 931(400,-1000) 932(400,-900) 933(500,-1000) 934(500,-900) 935(600,-1000) 936(600,-900) 937(700,-1000) 938(700,-900) 939(800,-1000) 940(800,-900) 941(900,-1000) 942(900,-900) 943(1000,-1000) 944(1000,-900) 945(1100,-1000) 946(1100,-900)
  silkscreen extent -1150,-1050 1150,1050, body extent -1974,-1076 1587,1076, height 690
BMI-S-208-F [mm] "EMI Connector Gaskets & Grounding Pads BLS,2PSH,FRM,SnSat .276x1.559x1.559in"
  rect 1x4.1 smd: 1(-19.7,-18.15) 1(-19.7,18.15) 1(19.7,-18.15) 1(19.7,18.15)
  rect 1x3.8 smd: 1(-19.7,-12) 1(-19.7,-6) 1(-19.7,0) 1(-19.7,6) 1(-19.7,12) 1(19.7,-12) 1(19.7,-6) 1(19.7,0) 1(19.7,6) 1(19.7,12)
  rect 4.1x1 smd: 1(-18.15,-19.7) 1(-18.15,19.7) 1(18.15,-19.7) 1(18.15,19.7)
  rect 3.8x1 smd: 1(-12,19.7) 1(-12,-19.7) 1(-6,-19.7) 1(-6,19.7) 1(0,-19.7) 1(0,19.7) 1(6,-19.7) 1(6,19.7) 1(12,19.7) 1(12,-19.7)
  silkscreen extent -19.7,-19.7 19.7,19.7, body extent -20.1,-20.1 20.1,20.1, height 27.01
CAPC0402(1005)60_L [mm] "Chip Capacitor, Body 1.0x0.5mm, Height 0.6mm, IPC High Density"
  rect 0.52x0.52 smd: 1(-0.4,0) 2(0.4,0)
  body extent -0.55,-0.3 0.55,0.3, height 0.6
CAPC0603(1608)100_L [mm] "Chip Capacitor, Body 1.6x0.8mm, Height 1.0mm, IPC High Density"
  rect 0.7x0.9 smd: 1(-0.7,0) 2(0.7,0)
  silkscreen extent -0.05,-0.35 0.05,0.35, body extent -0.87,-0.47 0.88,0.48, height 1
CAPC0805(2012)145_L [mm] "Chip Capacitor, Body 2.0x1.2mm, Height 1.45mm, IPC High Density"
  rect 0.95x1.35 smd: 1(-0.8,0) 2(0.8,0)
  silkscreen extent -0.05,-0.58 0.05,0.58, body extent -1.1,-0.72 1.1,0.72, height 1.45
CAPC1210(3225)200_L [mm]
  rect 1.2x2.6 smd: 1(-1.275,0) 2(1.275,0)
  silkscreen extent -0.3,-1.2 0.3,1.2, body extent -1.7,-1.35 1.7,1.35, height 2
CAPC1210(3225)280_L [mm] "Chip Capacitor, Body 3.2x2.5mm, Height 2.8mm, IPC High Density"
  rect 0.95x2.6 smd: 1(-1.4,0) 2(1.4,0)
  silkscreen extent -0.55,-1.2 0.55,1.2, body extent -1.7,-1.4 1.7,1.4, height 2.8
DBV0005A_L [mm] "SOT23, 5-Leads, Body 3.05x1.75mm, Pitch 0.95mm, IPC High Density"
  rrect18% 0.8x0.55 smd: 1(-1.275,0.95) 2(-1.275,0) 3(-1.275,-0.95) 4(1.275,-0.95) 5(1.275,0.95)
  silkscreen extent -1.4,-1.55 0.5,1.9, body extent -1.42,-1.46 1.42,1.46, height 1.08
DCK0005A_L [mm] "SOT23, 5-Leads, Body 2.15x1.4mm, Pitch 0.65mm, IPC High Density"
  rrect25% 0.65x0.399 smd: 1(-1.025,0.65) 2(-1.025,0) 3(-1.025,-0.65) 4(1.025,-0.65) 5(1.025,0.65)
  silkscreen extent -1.15,-1.1 0.3,1.52, body extent -1.14,-1 1.14,1, height 0.94
DCK0006A_L [mm] "SOT23, 6-Leads, Body 2.15x1.4mm, Pitch 0.65mm, IPC High Density"
  rrect25% 0.65x0.399 smd: 1(-1.025,0.65) 2(-1.025,0) 3(-1.025,-0.65) 4(1.025,-0.65) 5(1.025,0) 6(1.025,0.65)
  silkscreen extent -1.15,-1.1 0.3,1.52, body extent -1.14,-1 1.14,1, height 0.94
DCU0008A_L [mm] "SOP, 8-Leads, Body 2.4x2.1mm, Pitch 0.5mm, IPC High Density"
  rrect40% 0.6x0.25 smd: 1(-1.5,0.75) 2(-1.5,0.25) 3(-1.5,-0.25) 4(-1.5,-0.75) 5(1.5,-0.75) 6(1.5,-0.25) 7(1.5,0.25) 8(1.5,0.75)
  silkscreen extent -1.62,-1.05 0.8,1.55, body extent -1.56,-1 1.56,1, height 0.9
DGK0008A_L [mm] "TSOP, 8-Leads, Body 3.1x3.1mm, Pitch 0.65mm, IPC High Density"
  rrect22% 1.15x0.399 smd: 1(-2.125,0.975) 2(-2.125,0.325) 3(-2.125,-0.325) 4(-2.125,-0.975) 5(2.125,-0.975) 6(2.125,-0.325) 7(2.125,0.325) 8(2.125,0.975)
  silkscreen extent -2.25,-1.55 1.15,1.88, body extent -2.45,-1.5 2.45,1.5, height 0.94
DIOD-SOD323-2_V [mil] "SMT Diode, 2 Leads, Body 1.7 x 1.3 mm"
  rect 45x30 smd: 1(-46.26,0) 2(46.26,0)
  silkscreen extent -37,-30 37,30, body extent -39,-27 38,28, height 43